# KiCad board simplyKeeb-60K.kicad_pcb (continued)
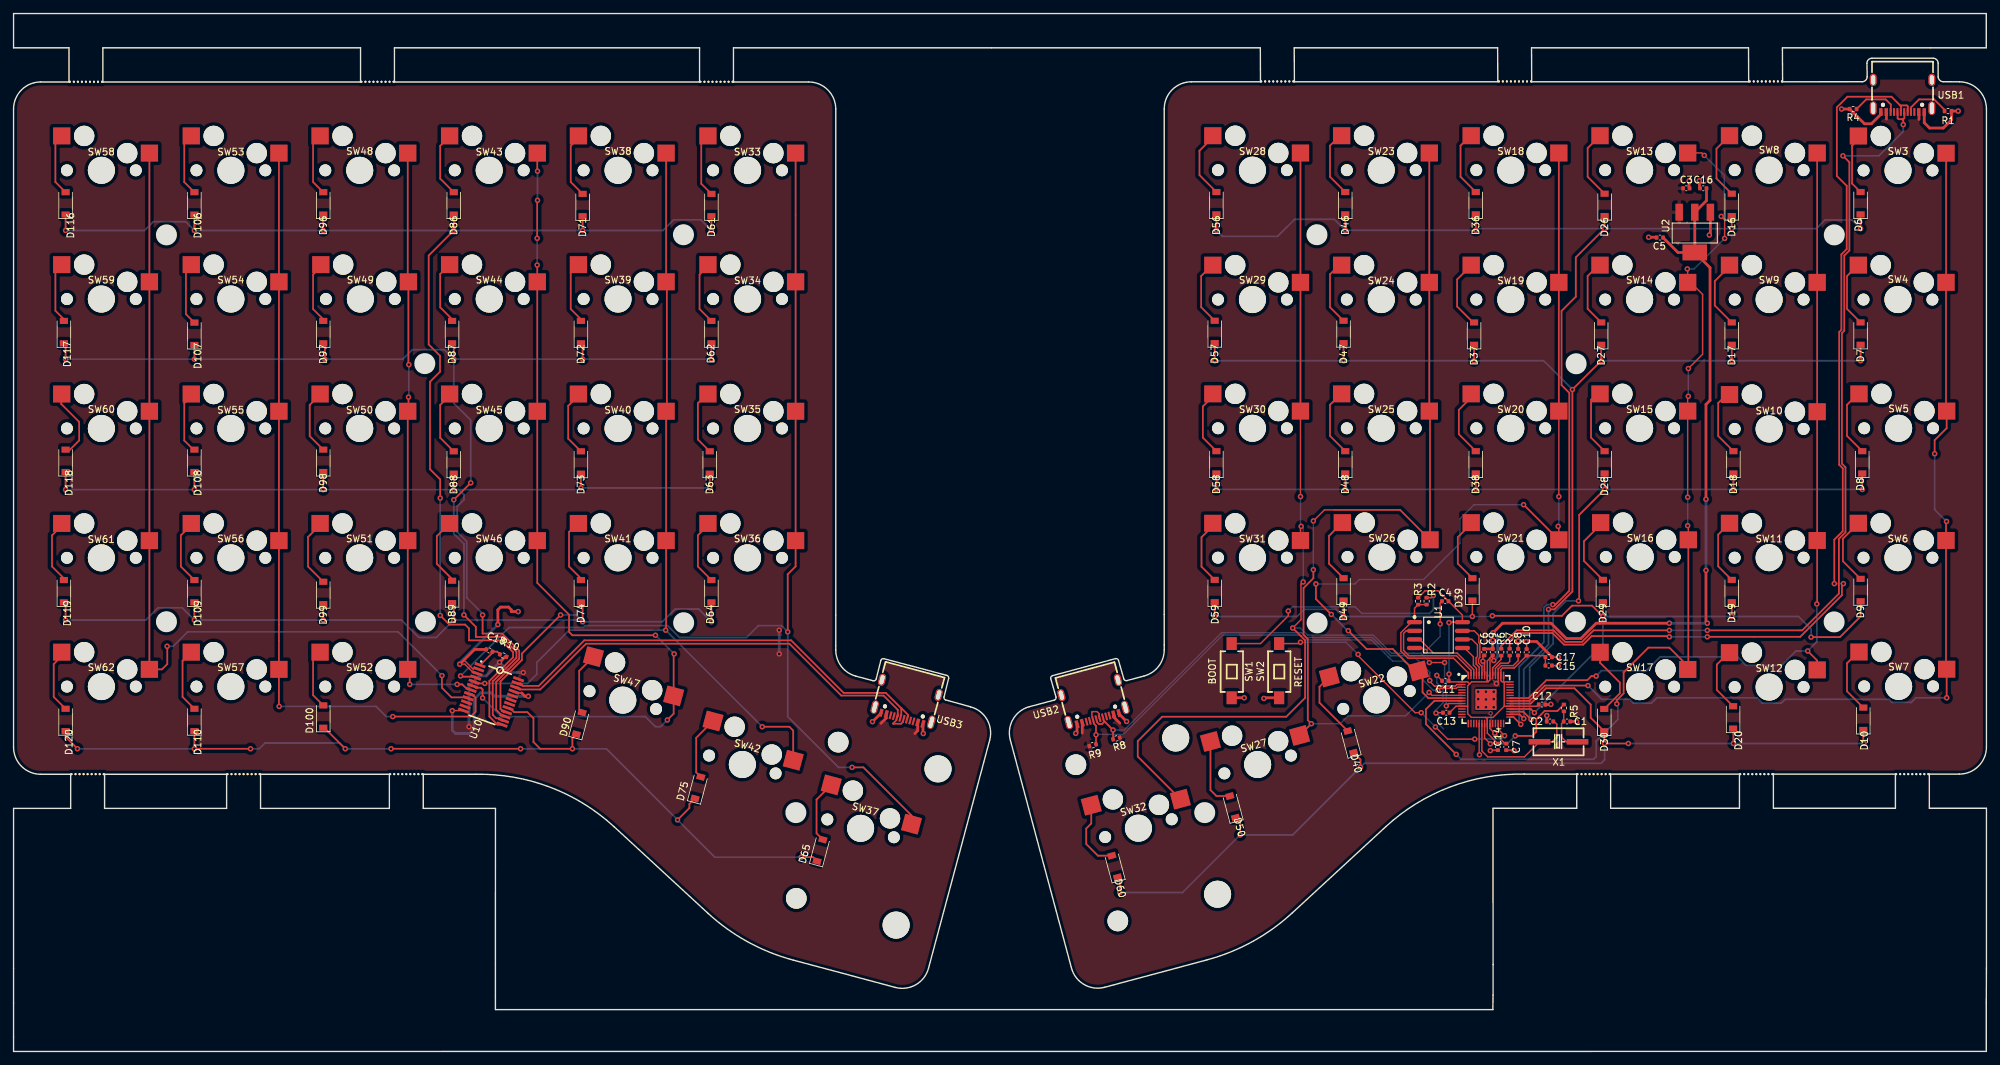
[diagram p0: board, top side]
## Nets (continued)
Net-(D40-Pad2): D40.2 SW22.2
Net-(D46-Pad2): D46.2 SW23.2
Net-(D47-Pad2): D47.2 SW24.2
Net-(D48-Pad2): D48.2 SW25.2
Net-(D49-Pad2): D49.2 SW26.2
Net-(D50-Pad2): D50.2 SW27.2
Net-(D56-Pad2): D56.2 SW28.2
Net-(D57-Pad2): D57.2 SW29.2
Net-(D58-Pad2): D58.2 SW30.2
Net-(D59-Pad2): D59.2 SW31.2
Net-(D60-Pad2): D60.2 SW32.2
Net-(D61-Pad2): D61.2 SW33.2
Net-(D62-Pad2): D62.2 SW34.2
Net-(D63-Pad2): D63.2 SW35.2
Net-(D64-Pad2): D64.2 SW36.2
Net-(D65-Pad2): D65.2 SW37.2
Net-(D71-Pad2): D71.2 SW38.2
Net-(D72-Pad2): D72.2 SW39.2
Net-(D73-Pad2): D73.2 SW40.2
Net-(D74-Pad2): D74.2 SW41.2
Net-(D75-Pad2): D75.2 SW42.2
Net-(D86-Pad2): D86.2 SW43.2
Net-(D87-Pad2): D87.2 SW44.2
Net-(D88-Pad2): D88.2 SW45.2
Net-(D89-Pad2): D89.2 SW46.2
Net-(D90-Pad2): D90.2 SW47.2
Net-(D96-Pad2): D96.2 SW48.2
Net-(D97-Pad2): D97.2 SW49.2
Net-(D98-Pad2): D98.2 SW50.2
Net-(D99-Pad2): D99.2 SW51.2
Net-(D100-Pad2): D100.2 SW52.2
Net-(D106-Pad2): D106.2 SW53.2
Net-(D107-Pad2): D107.2 SW54.2
Net-(D108-Pad2): D108.2 SW55.2
Net-(D109-Pad2): D109.2 SW56.2
Net-(D110-Pad2): D110.2 SW57.2
Net-(D116-Pad2): D116.2 SW58.2
Net-(D117-Pad2): D117.2 SW59.2
Net-(D118-Pad2): D118.2 SW60.2
Net-(D119-Pad2): D119.2 SW61.2
Net-(D120-Pad2): D120.2 SW62.2
Net-(R1-Pad2): R1.2 USB1.A5
Net-(R4-Pad1): R4.1 USB1.B5
Net-(R6-Pad2): R6.2 U3.47
Net-(R7-Pad2): R7.2 U3.46
Net-(SW2-Pad2): SW2.2 U3.26

Pads without a net: U3 24 25; U10 10 11 18 19 20; USB1 1 A8 B8; USB2 1 A5 A8 B5 B8; USB3 1 A5 A8 B5 B8

## Via types
v1: diameter 0.8, hole 0.4, Top to Bottom, 215 vias
v2: diameter 0.6, hole 0.4, Top to Bottom, 1 via

## Routing (per net, layer and track width the routed paths; a pad name or vN(x,y) marks a point on that pad's centre or on a via; arc(x,y) is an arc through that point)
+1V1: length 20.9
  Top w0.2: C6.1 216.7,58.26 v1(216.7,57.6) 216.95,57.35 U3.50 ; 218.95,54.35 U3.45 218.95,56.45 219.45,56.95 221.17,56.95 221.9,57.68 C8.1 ; 217.75,48.4 217.75,47.65 v1(218.45,46.95) 219.97,45.43 C7.1
  Bottom w0.2: 217.9,50 217.9,47.5 v1(218.45,46.95) ; v1(218.7,54.3) 216.7,56.3 v1(216.7,57.6)
  vias: v2(217.83,49.9)
+3V3: length 186
  Top w0.2: v1(211.7,55.7) 211.7,54.75 C11.1 211.8,54.55 214.45,54.55 214.75,54.25 ; 217.1,49.3 218.2,49.3 219.85,50.95 ; 217.1,49.3 217.35,49.05 217.35,46.98 C14.1 ; 217.1,49.3 215,49.3 214.45,49.85 214.45,50.95 ; C13.1 212.73,50.95 U3.10 214.45,50.95 ; v1(218.3,57.71) 218.15,57.85 C9.1 ; C15.1 C17.1 225.69,58.43 C10.1 221.32,56.6 219.6,56.6 219.35,56.35 219.35,54.75 219.55,54.55 219.75,54.55 ; C12.1 224.69,50.95 U3.33 219.85,50.95 ; 219.85,50.95 219.85,54.45 219.75,54.55 ; C9.1 217.75,58.05 217.75,54.85 217.45,54.55 215.05,54.55 214.75,54.25 ; C9.1 217.35,57.65 217.35,54.75 217.2,54.6 ; 214.75,54.25 214.45,53.95 214.45,50.95 ; 219.75,55.5 219.75,54.55 ; 219.75,54.55 220.7,54.55 ; R3.1 208.18,68 210.08,68 213.68,64.4 U1.8 211.76,63.36 v1(211.7,63.3)
  Top w0.4: v1(249.6,71) 249.6,63.4 v1(249.8,63.2) ; v1(249.6,81.5) 249.6,95.5 250.19,96.1 250.19,115.69 U2.2 ; U2.2 245.47,117.93 C5.1 ; U2.2 247.95,123.88 249.68,125.6 C16.1 ; v1(244.2,63.2) 233.4,63.2 231.15,60.95 229,60.95 226.75,63.2 219.6,63.2 v1(218.2,61.8)
  Bottom w0.2: v1(211.7,63.3) v1(211.7,55.7)
  Bottom w0.4: v1(249.8,63.2) v1(244.2,63.2) ; v1(218.3,57.71) 218.9,58.31 218.9,61.11 v1(218.2,61.8) ; v1(249.6,81.5) v1(249.6,71)
GND: length 73.1
  Top w0.2: 206.62,59.55 207.7,59.55 v1(208.2,59.05) ; 218.9,44.47 217.87,44.47 v1(217.8,44.4) ; v1(210.4,63.1) 210.4,66.18 C4.2 ; C17.2 v1(227.8,58.2) ; C13.2 209.83,50 ; U3.19 216.15,43.84 v1(216.19,43.8) ; C10.2 223.15,60.45 v1(223.1,60.5) ; C15.2 227.75,56.95 v1(227.8,56.9) ; v1(209.9,55.5) 210.69,54.71 C11.2 ; 220.15,44.47 221.23,44.47 v1(221.3,44.4) ; C8.2 v1(221.9,60.6)
  Top w0.4: 226.12,48.7 226.12,49.57 v1(226.12,49.58) ; v1(218.15,60.7) C9.2 C6.2 ; v1(223.1,60.5) 224.62,60.5 226.88,58.25 C17.2 ; SW1.1 v1(181.5,52.2) ; SW2.1 184.5,52.2 v1(184.4,52.1) ; C1.2 230.5,48.71 v1(230.52,48.68) ; USB2.A1 163.02,49.83 v1(164.15,48.7) ; v1(156.65,46.95) 156.84,47.15 USB2.A12 ; C5.2 242.26,120.18 v1(241.14,120.18) ; C12.2 226.7,51.2 v1(226.72,51.23) ; 247.1,127.51 247.1,128.5 ; 275.41,138.69 275.41,138.37 ; v1(286.8,138.8) R1.1 285.81,137.51 284.6,136.31 282.57,136.31 281.78,137.09 USB1.A1 ; 248.64,127.51 248.64,128.5 ; v1(269.6,139.1) R4.2 271.99,137.9 272,137.9 272.97,136.93 274,136.93 275.38,138.32 USB1.A12 ; v1(250.1,120.5) 250.25,120.65 250.25,123.88
  Bottom w0.2: v1(208.2,59.05) 210.4,61.25 v1(210.4,63.1) ; 210.9,47.6 210.35,48.16 210.35,49.39 v1(209.78,49.95) 209.78,50.4 210.8,51.42 210.8,53.5 209.89,54.41 209.9,54.42 v1(209.9,55.5)
  vias: v1(216,53.1) v1(216,52) v1(216,50.8) v1(217.15,53.1) v1(217.15,51.95) v1(217.15,50.8) v1(218.3,53.1) v1(218.3,52) v1(218.3,50.8) v1(247.12,128.51) v1(248.62,128.51)
VBUS: length 4.6
  Top w0.4: 281.01,137.57 281.01,138.24 ; USB2.A9 157.61,46.99 ; 276.21,138.37 276.21,137.6 ; USB2.A4 162.25,49.35 163.15,48.45
VDD: length 24.4
  Top w0.4: R10.1 72.5,58.26 v1(71.67,57.43) ; USB3.A4 133.35,47.35 132.92,46.93 ; USB3.A9 128.71,49.22 127.92,48.43
  Bottom w0.4: v1(75.17,55.93) 73.17,55.93 v1(71.67,57.43) 69.67,55.43 68.67,55.43 67.17,53.93 v1(67.17,47.93) ; v1(112.92,58.68) v1(112.92,62.18)
VSS: length 50
  Top w0.2: 74.05,52.91 74.94,52.91 ; U10.12 v1(64.7,50.31) ; 67.8,56.41 66.42,57.78 ; 67.91,55.8 66.55,57.16 v1(65.8,57.16)
  Top w0.4: 74.94,52.91 75.42,52.43 v1(75.92,52.43) ; v1(74.42,64.93) 73.4,64.93 73.4,65.2 73.01,65.59 71.83,65.59 71.42,65.18 v1(71.42,63.01) ; v1(126.67,48.68) 127.94,49.95 USB3.A12 ; USB3.A1 134.12,46.98 v1(134.17,46.93) ; C18.2 67.99,59.34 v1(65.8,57.16)
  Bottom w0.4: v1(64.7,50.31) 64.7,47.4 65.17,46.93 67.23,46.93 67.92,47.62 67.92,51.99 68.86,52.93 70.42,52.93 70.92,52.43 v1(75.92,52.43) ; v1(65.8,57.16) 65.8,57.38 v1(71.42,63.01)
/Col_L0: length 149.7
  Top w0.25: v1(283.32,88.23) 283.32,90.23 285.09,92 SW5.1 284.99,94.62 SW4.1 285,113.53 SW3.1 ; 220.7,51.75 223.58,51.75 225.83,54 v1(232.2,54) ; v1(285.1,52.2) 285.09,52.21 SW7.1 284.99,56.52 SW6.1 284.99,78.15 v1(285.07,78.23)
  Bottom w0.25: v1(283.32,88.23) 283.32,79.98 v1(285.07,78.23) ; v1(232.2,54) 234.22,51.98 238.33,51.98 238.91,51.4 241.54,51.4 242.34,52.2 257.14,52.2 257.93,51.41 260.71,51.41 261.27,51.98 276.56,51.98 277.03,51.51 279.85,51.51 280.54,52.2 v1(285.1,52.2)
/Col_L1: length 125.3
  Top w0.25: v1(233.4,55.4) 232.7,55.4 232.1,54.8 226.07,54.8 223.42,52.15 U3.36 ; v1(264.6,59.1) 265.99,57.71 SW12.1 ; SW8.1 SW9.1 SW10.1 SW11.1 265.99,66.1 v1(265.95,66.05)
  Bottom w0.25: v1(265.95,66.05) 265.95,60.45 v1(264.6,59.1) 262.85,59.1 260.73,56.99 255.51,56.99 254.24,58.26 242.85,58.26 240.81,56.21 234.2,56.21 v1(233.4,55.4)
/Col_L2: length 147.4
  Top w0.2: v1(246.85,115.5) 246.89,115.46 SW14.1 247.33,113.52 249.1,111.75 249.1,102.9 v1(247,100.8) ; v1(249.35,132.25) 248.98,132.62 SW13.1 ; v1(246.9,81.8) 246.89,81.81 SW15.1 246.89,96.6 v1(247,96.7) ; v1(251.85,123.25) 252.35,122.75 v1(252.35,120) ; SW16.1 246.99,77.51 v1(246.9,77.6)
  Top w0.25: v1(236.45,51.3) 236.45,51.84 237.45,52.84 237.45,55.96 241.1,59.6 244.2,59.6 246.9,56.9 SW17.1 246.99,56.47 SW16.1 ; v1(212.76,43.85) 208.3,48.31 208.3,50.5 209.55,51.75 213.6,51.75
  Bottom w0.2: v1(246.85,115.5) 247.85,115.5 v1(252.35,120) ; v1(251.85,123.25) 252.3,123.7 252.3,129.31 v1(249.35,132.25) ; v1(247,100.8) v1(247,96.7) ; v1(246.9,81.8) v1(246.9,77.6)
  Bottom w0.25: v1(236.45,51.3) 236.6,51.16 236.6,49 233.4,45.8 233.4,43.5 233.01,43.12 213.48,43.12 212.76,43.84 v1(212.76,43.85)
/Col_L3: length 133.4
  Top w0.2: v1(227.8,77.5) 227.89,77.41 SW21.1 ; v1(227.9,81.9) 227.89,81.91 SW20.1 ; 222.71,80.7 v1(222.7,80.7)
  Top w0.25: 222.71,80.7 SW21.1 ; SW20.1 SW19.1 SW18.1 ; v1(196.85,62.1) 199.54,59.4 203.4,59.4 206.63,56.17 SW22.1 207.8,55.57 207.8,53 208.65,52.15 U3.7 ; v1(192.07,69) 192.07,66.78 v1(194.35,64.5)
  Bottom w0.2: v1(192.07,69) 197.8,69 198.46,69.67 207.96,69.67 213.3,75 213.3,78.6 215.4,80.7 v1(222.7,80.7) ; v1(227.8,77.5) 227.9,77.6 v1(227.9,81.9)
  Bottom w0.25: v1(196.85,62.1) 196.75,62.1 v1(194.35,64.5)
/Col_L4: length 134.6
  Top w0.2: 213.6,52.55 209.2,52.55 v1(208.76,52.99) ; v1(191.7,78.3) 193.33,79.94 194.77,79.94
  Top w0.25: SW23.1 SW24.1 SW25.1 208.89,94.42 SW26.1 204.48,79.94 194.77,79.94 ; SW27.1 v1(191.4,48.38) 190.87,48.9 190.87,52.03 190.87,60.85 190.25,61.47 190.25,68.4 191.7,69.85 v1(191.7,71.1)
  Bottom w0.2: v1(191.4,48.38) 195.67,48.38 196.83,49.54 205.31,49.54 v1(208.76,52.99) ; v1(191.7,78.3) v1(191.7,71.1)
/Col_L5: length 160.7
  Top w0.2: SW30.1 189.79,81.91 v1(189.8,81.9) ; SW31.1 189.79,77.4 v1(189.9,77.5) ; v1(211.3,51) 211.65,51.35 U3.9 ; v1(190.2,69.3) 189.87,68.98 189.87,63.73 v1(188.65,62.5) ; v1(208.8,57.41) 209.7,57.41 209.7,57.4 v1(211.05,57.4)
  Top w0.25: v1(188.65,62.5) 189.84,61.31 189.85,61.31 190.47,60.68 190.47,52.18 187.7,49.4 169.4,49.4 165.8,45.8 165.8,43.53 SW32.1 ; SW30.1 SW29.1 SW28.1
  Bottom w0.2: v1(190.2,69.3) 190.2,77.2 v1(189.9,77.5) 189.8,77.6 v1(189.8,81.9) ; v1(188.65,62.5) 189.79,62.5 190.84,61.45 200.54,61.45 203.24,58.75 207.58,58.75 207.58,58.75 ; v1(211.05,57.4) 211.05,55.15 211.3,54.9 v1(211.3,51) ; 207.58,58.75 208.8,57.54 v1(208.8,57.41) ; 207.58,58.75 206.35,58.75 ; 206.57,58.75 203.25,58.75
/Col_R0: length 164.9
  Top w0.25: 68.14,55.32 65.78,55.32 65.81,55.32 v1(65.92,55.43) ; SW33.1 SW34.1 SW35.1 SW36.1 115.34,71.59 114.17,70.43 v1(114.17,61.93) ; v1(123.67,41.93) 125.34,41.93 132.42,34.84 SW37.1
  Bottom w0.25: v1(123.67,41.93) 121.67,41.93 114.17,49.43 v1(114.17,61.93) 113.25,62.85 109.85,62.85 108.1,61.1 98.2,61.1 96.45,62.85 84.3,62.85 84.03,62.58 73.07,62.58 v1(65.92,55.43)
/Col_R1: length 132.5
  Top w0.25: SW42.1 114.98,47.37 114.42,47.93 v1(110.42,47.93) ; v1(69.5,54.32) 68.17,54.32 U10.5 ; SW38.1 SW39.1 96.35,113.49 96.35,94.61 SW40.1 SW41.1 96.23,62.24 v1(96.17,62.18)
  Bottom w0.25: v1(69.5,54.32) 75.81,54.32 77.17,55.68 77.17,57.43 81.92,62.18 v1(96.17,62.18) v1(110.42,47.93)
/Col_R2: length 132
  Top w0.25: v1(94.67,61.43) 82.42,61.43 81.92,61.93 81.92,64.48 77.23,69.16 SW46.1 SW45.1 SW44.1 77.23,116.07 v1(77.22,116.08) ; v1(77.22,120.03) 77.22,125.58 v1(77.27,125.63) ; v1(77.27,129.93) 77.23,129.97 SW43.1 ; U10.6 67.89,53.96 68.17,53.68 68.92,53.68 69.17,53.43 v1(69.17,52.18) ; v1(97.42,58.68) 97.35,58.61 SW47.1 97.35,49.86 v1(96.42,48.93)
  Bottom w0.25: v1(94.67,61.43) v1(97.42,58.68) ; v1(69.17,52.18) 71.92,49.43 93.17,49.43 94.67,47.93 95.42,47.93 v1(96.42,48.93) ; v1(77.27,129.93) v1(77.27,125.63) ; v1(77.22,116.08) v1(77.22,120.03)
/Col_R3: length 87.1
  Top w0.25: v1(58.3,101.38) 58.23,101.44 SW49.1 58.14,113.7 SW48.1 ; v1(65.42,54.18) 66.17,54.18 66.67,53.68 ; v1(58.25,96.58) 58.25,94.61 SW50.1 SW51.1 SW52.1 58.42,56.11 v1(58.42,54.18)
  Bottom w0.25: v1(58.3,101.38) 58.3,96.63 v1(58.25,96.58) ; v1(65.42,54.18) v1(58.42,54.18)
/Col_R4: length 114.7
  Top w0.25: SW53.1 SW54.1 SW55.1 SW56.1 SW57.1 39.13,50.97 v1(39.17,50.93) ; v1(55.92,49.43) 67.42,49.43 68.14,50.15 68.14,52.21 67.61,52.74 U10.8
  Bottom w0.25: v1(39.17,50.93) 53.47,50.93 54.97,49.43 v1(55.92,49.43)
/Col_R5: length 132.1
  Top w0.25: SW58.1 SW59.1 SW60.1 SW61.1 SW62.1 21.89,56.4 22.67,57.18 22.67,59.78 v1(22.65,59.8) ; 67.03,52.27 64.59,52.27 63.17,53.68 v1(63.17,55.48)
  Bottom w0.25: v1(63.17,55.48) 56.72,61.93 25.67,61.93 23.55,59.8 v1(22.65,59.8)
/I2C_SCL_L: length 70.5
  Top w0.1: USB2.A6 160.17,49.77 159.78,50.16
  Top w0.2: 159.03,49.49 159.03,50.08 159.11,50.16 159.78,50.16 160.11,49.83 160.11,49.19 ; v1(210.05,53.29) 210.35,53.59 212.78,53.59 212.94,53.75 213.6,53.75
  Top w0.25: R9.2 v1(159.64,46.75) 159.64,48.06 159.3,48.4
  Bottom w0.2: v1(210.05,53.29) 209.4,53.29 205.09,57.6 203.4,57.6 203,58 203,58.01 202.75,58.26 202.74,58.26 200.25,60.75 190.4,60.75 189.7,61.46 178.31,61.46 163.65,46.8 159.69,46.8 v1(159.64,46.75)
/I2C_SCL_R: length 66.8
  Top w0.25: 130.2,48.9 129.7,48.4 129.73,48.37 130.9,48.37 131.17,48.64 131.17,48.68 ; 130.3,49.37 USB3.B6 130.4,49.46 130.4,50.43 128.3,52.53 122.07,52.53 114.42,60.18 84.42,60.18 77.67,53.43 74.7,53.43 74.4,53.73 U10.22
/I2C_SDA_L: length 66.1
  Top w0.2: U3.2 212.85,54.15 212.63,53.94 209.54,53.94 209,54.49 209,54.61 v1(208.86,54.75)
  Top w0.25: R8.2 v1(162.15,47.45) 160.9,48.7 ; 160.9,48.7 160.8,48.8 ; 160.9,48.7 160.52,48.33 160.06,48.33 159.89,48.5
  Bottom w0.2: v1(162.15,47.45) 163.81,47.45 178.17,61.8 190,61.8 190.7,61.1 200.4,61.1 203.1,58.4 206.42,58.4 208.86,55.97 v1(208.86,54.75)
/I2C_SDA_R: length 66.4
  Top w0.25: 130.92,50.64 130.96,50.64 131.92,49.68 131.92,49.43 ; 130.92,50.64 128.64,52.93 122.42,52.93 114.67,60.68 84.17,60.68 77.45,53.96 75.14,53.96 74.76,54.34 U10.23 ; 130.92,50.64 130.92,49.68
/Row_L0: length 193.4
  Top w0.25: v1(222.28,48.28) 221.21,49.35 U3.29 ; v1(253.4,121.45) D16.1 ; v1(215.65,121.2) D36.1 ; v1(227.01,65.96) 227.11,65.85 227.3,65.85 229.44,68 229.44,97.2 228.29,98.35 228.29,109.3 230.4,111.4 230.4,117.2 v1(234.65,121.45) D26.1 ; v1(196.4,121.2) D46.1 ; v1(177.4,121.2) D56.1 ; v1(272.4,121.45) D6.1
  Bottom w0.25: v1(177.4,121.2) 178.3,120.3 186.4,120.3 188.92,122.83 194.77,122.83 v1(196.4,121.2) v1(215.65,121.2) 215.9,121.45 v1(234.65,121.45) v1(253.4,121.45) 265.87,121.45 267.15,122.73 271.12,122.73 v1(272.4,121.45) ; v1(227.01,65.96) 226.12,65.96 225.7,65.53 225.7,60.4 222.05,56.76 222.05,48.52 v1(222.28,48.28)
/Row_L1: length 167.7
  Top w0.25: v1(215.4,101.95) D37.1 ; 220.7,49.75 222.09,49.75 v1(222.72,49.13) ; D27.1 v1(234.15,101.95) v1(229.9,97.7) 229.9,67.89 227.26,65.25 v1(226.37,65.25) ; D57.1 v1(177.15,101.95) ; v1(253.4,101.95) D17.1 ; v1(272.4,101.95) D7.1 ; v1(196.15,101.95) D47.1
  Bottom w0.25: v1(226.37,65.25) 226.37,60.08 222.72,56.43 v1(222.72,49.13) ; v1(229.9,97.7) 225.65,101.95 v1(215.4,101.95) v1(196.15,101.95) v1(177.15,101.95) ; v1(234.15,101.95) v1(253.4,101.95) v1(272.4,101.95)
/Row_L2: length 152.6
  Top w0.25: D58.1 v1(177.4,82.95) ; v1(223.8,49) 222.65,50.15 U3.31 ; v1(196.4,82.95) D48.1 ; D28.1 v1(234.65,82.95) 230.9,79.2 230.9,66.6 v1(230.8,66.5) ; v1(215.65,82.95) D38.1 ; v1(253.65,82.95) D18.1 ; v1(272.65,82.95) D8.1
  Bottom w0.25: v1(223.8,49) 223.6,49.2 223.6,56.74 227.05,60.19 227.05,64.6 228.95,66.5 v1(230.8,66.5) ; v1(272.65,82.95) v1(253.65,82.95) v1(234.65,82.95) v1(215.65,82.95) v1(196.4,82.95) v1(177.4,82.95)
/Row_L3: length 136.1
  Top w0.2: 215.15,66.55 v1(215.15,64.2)
  Top w0.25: v1(218.1,64.3) 228.35,64.3 229.85,65.8 232.8,65.8 v1(234.4,64.2) D29.1 ; D9.1 272.4,64.2 269.35,61.15 v1(265.1,61.15) ; 220.7,50.55 223.75,50.55 v1(224.3,50) ; v1(196.15,64.2) 196.15,66.55 ; v1(253.4,64.2) D19.1 ; D59.1 v1(177.15,64.2)
  Bottom w0.2: v1(215.15,64.2) 218,64.2 v1(218.1,64.3)
  Bottom w0.25: v1(265.1,61.15) 265.1,62.35 263.25,64.2 v1(253.4,64.2) v1(234.4,64.2) 234.4,60.1 v1(224.3,50) ; v1(215.15,64.2) v1(196.15,64.2) 195.1,65.25 190.35,65.25 189.3,64.2 v1(177.15,64.2)
/Row_L4: length 152.8
  Top w0.25: v1(253.65,45.45) 253.65,47.6 D20.1 ; D50.1 180.9,33.84 v1(180.9,31.95) ; D40.1 198.65,43.09 v1(198.65,41.95) ; v1(272.9,45.45) 272.8,45.55 D10.1 ; D60.1 163.15,25.39 v1(163.15,23.45) ; U3.34 223.75,51.35 226,53.6 230.2,53.6 232.6,51.2 232.6,49.25 234.6,47.25 234.6,45.5 v1(234.65,45.45) v1(238.15,45.45)
  Bottom w0.25: v1(163.15,23.45) 172.4,23.45 v1(180.9,31.95) 188.65,31.95 v1(198.65,41.95) 199.22,42.53 234.12,42.53 234.65,43.05 v1(234.65,45.45) ; v1(238.15,45.45) v1(253.65,45.45) v1(272.9,45.45)
/Row_R0: length 199.3
  Top w0.25: 26.67,121.93 26.67,121.43 ; 26.67,121.93 D106.1 ; 26.67,121.93 v1(26.67,121.18) ; D86.1 v1(64.92,121.18) 61.22,117.48 61.22,104.35 62.9,102.68 62.9,100.33 61.42,98.85 61.42,85.93 62.92,84.43 v1(62.92,81.68) ; v1(45.67,121.18) D96.1 ; D116.1 v1(7.67,121.18) ; v1(62.92,64.35) 64.27,63.01 66.6,63.01 67.17,62.43 67.17,60.68 71.92,60.68 73.67,58.93 73.67,58.18 70.17,54.68 70.17,49.43 71.36,48.24 U10.13 ; v1(83.92,121.18) D71.1 ; D61.1 v1(102.92,121.18)
  Bottom w0.25: v1(7.67,121.18) 19.32,121.18 20.62,122.48 25.37,122.48 v1(26.67,121.18) v1(45.67,121.18) v1(64.92,121.18) v1(83.92,121.18) 95.77,121.18 97.35,122.75 101.35,122.75 v1(102.92,121.18) ; v1(62.92,64.35) v1(62.92,81.68)
/Row_R1: length 174.3
  Top w0.25: v1(83.92,102.18) 83.92,104.53 ; v1(45.92,102.18) 45.92,104.53 ; U10.14 72.01,48.84 71.67,49.18 71.17,49.18 70.67,49.68 70.67,54.61 74.17,58.11 74.17,59 71.99,61.18 68.17,61.18 68.17,62.68 v1(66.42,64.43) ; v1(64.92,102.18) 64.92,104.53 ; 7.67,104.53 v1(7.67,102.18) ; v1(64.92,81.43) v1(67.42,83.93) ; v1(26.67,102.18) D107.1 ; v1(102.92,102.18) D62.1
  Bottom w0.25: v1(7.67,102.18) v1(26.67,102.18) v1(45.92,102.18) 57.4,102.18 58.8,103.58 63.52,103.58 v1(64.92,102.18) ; v1(64.92,102.18) v1(83.92,102.18) v1(102.92,102.18) ; v1(64.92,102.18) 64.92,95.68 67.42,93.18 v1(67.42,83.93) ; v1(66.42,64.43) 66.42,74.93 64.92,76.43 v1(64.92,81.43)
/Row_R2: length 152
  Top w0.25: v1(45.67,82.93) D98.1 ; D63.1 v1(102.67,83.18) ; v1(69.17,64.43) 69.17,61.68 72.05,61.68 74.57,59.16 74.57,57.95 71.17,54.55 71.17,50.43 72.15,49.45 U10.15 ; D118.1 v1(7.67,82.93) ; v1(64.92,82.93) D88.1 ; v1(26.67,82.93) D108.1 ; v1(83.67,83.18) D73.1
  Bottom w0.25: v1(64.92,82.93) v1(45.67,82.93) v1(26.67,82.93) v1(7.67,82.93) ; v1(64.92,82.93) 65.67,82.93 66.42,82.18 66.42,81.43 65.42,80.43 65.42,76.68 66.82,75.28 66.82,66.98 69.17,64.63 v1(69.17,64.43) ; v1(64.92,82.93) 83.42,82.93 v1(83.67,83.18) v1(102.67,83.18)
/Row_R3: length 138.6
  Top w0.25: v1(64.92,63.68) 64.92,66.18 ; v1(26.67,63.68) D109.1 ; 7.67,66.28 v1(7.67,63.68) ; U10.16 72.29,50.07 71.81,50.55 71.81,54.62 74.97,57.78 74.97,58.73 v1(80.67,64.43) ; D64.1 v1(102.92,63.43) ; v1(83.92,63.43) 83.92,66.28 ; v1(45.67,63.68) D99.1
  Bottom w0.25: v1(83.92,63.43) 83.67,63.68 v1(64.92,63.68) 62.35,61.1 59.77,61.1 57.2,63.68 v1(45.67,63.68) v1(26.67,63.68) 24.87,65.48 21.3,65.48 19.5,63.68 v1(7.67,63.68) ; v1(83.92,63.43) 95.7,63.43 97.57,65.3 101.05,65.3 v1(102.92,63.43) ; v1(83.92,63.43) 82.92,64.43 v1(80.67,64.43)
/Row_R4: length 147.8
  Top w0.25: v1(48.92,44.68) 45.82,47.78 D100.1 ; D65.1 117.9,28.68 v1(116.17,28.68) ; v1(55.67,44.68) v1(74.77,44.68) ; D120.1 7.67,46.43 v1(9.42,44.68) ; v1(97.92,34.18) 99.67,35.93 99.67,36.51 D75.1 ; D110.1 v1(26.67,44.68) v1(34.95,44.68) ; D90.1 82.42,46.26 v1(82.42,44.68) 77.67,44.68 76.67,45.68 76.67,49.18 75.77,50.08 73.82,50.08 73.23,50.68 U10.17
  Bottom w0.25: v1(116.17,28.68) 103.42,28.68 v1(97.92,34.18) 87.42,44.68 v1(82.42,44.68) v1(74.77,44.68) ; v1(9.42,44.68) v1(26.67,44.68) ; v1(34.95,44.68) 36.22,44.68 37.07,45.53 48.07,45.53 v1(48.92,44.68) v1(55.67,44.68)
/RP2040 for Keebs/QSPI_SCLK: length 7.3
  Top w0.2: U1.6 215.08,60.82 215.9,60 215.9,58.3 215.7,58.11 215.7,57.18 216.15,56.73 U3.52
/RP2040 for Keebs/QSPI_SD0: length 5.1
  Top w0.2: 213.68,59.55 214,59.55 215.3,58.25 215.3,57 215.75,56.55 215.75,55.5
/RP2040 for Keebs/QSPI_SD1: length 16.2
  Top w0.2: U1.2 205.38,62.08 205,61.7 205,59.2 205.8,58.4 212.8,58.4 214.95,56.25 U3.55
/RP2040 for Keebs/QSPI_SD2: length 11.4
  Top w0.2: 215.35,55.5 215.35,56.35 212.9,58.8 209.4,58.8 207.38,60.82 U1.3
/RP2040 for Keebs/QSPI_SD3: length 9
  Top w0.2: U3.51 216.55,56.83 216.05,57.33 216.05,57.96 216.25,58.16 216.25,60.21 216.1,60.36 216.1,61.4 215.42,62.08 U1.7
/RP2040 for Keebs/QSPI_SS: length 21.1
  Top w0.2: R2.1 R3.2 206.62,65.42 U1.1 206.16,63.36 204.6,61.8 204.6,59.1 205.65,58.06 212.35,58.06 214.55,55.85 U3.56
/RP2040 for Keebs/USB_D+: length 136.2
  Top w0.25: 278.5,137.6 278,137.6 277.86,137.74 277.86,138.69 ; 278.5,137.6 278.7,137.6 278.86,137.77 278.86,138.69 ; 278.5,137.6 278.7,137.41 v1(278.7,136.81) ; R6.1 219.4,59.87 221.68,62.15 227.13,62.15 228.83,60.45 231.32,60.45 233.02,62.15 v1(244.2,62.15) ; v1(269.8,132.2) 270.75,131.25 270.75,118.23 270,117.48 270,106.38 269.65,106.03 269.65,86.75 270.17,86.23 270.17,76.63 269.2,75.66 269.2,67.57 263.78,62.15 v1(249.8,62.15)
  Bottom w0.25: v1(278.7,136.81) 278.7,135.79 275.11,132.2 v1(269.8,132.2) ; v1(244.2,62.15) v1(249.8,62.15)
/RP2040 for Keebs/USB_D-: length 143.2
  Top w0.25: v1(268.52,69.05) 268.52,75.55 269.77,76.8 269.77,86.07 269.25,86.59 269.25,106.2 269.56,106.51 269.56,117.65 270.35,118.43 270.35,127.77 268.9,129.22 268.9,139.36 270.47,140.93 276.95,140.93 278.23,139.64 ; R7.1 220.65,60.55 221.85,61.75 226.96,61.75 228.66,60.06 231.48,60.06 232.73,61.3 244.1,61.3 v1(244.2,61.2) ; 279.36,138.69 279.36,139.51 279.23,139.64 278.23,139.64 ; 278.23,139.64 278.36,139.51 278.36,138.69 ; v1(269.87,69.05) 269.65,68.83 269.65,67.35 263.5,61.2 v1(249.8,61.2)
  Bottom w0.25: v1(269.87,69.05) v1(268.52,69.05) ; v1(244.2,61.2) v1(249.8,61.2)
/RP2040 for Keebs/XIN: length 19.3
  Top w0.2: U3.20 216.55,44.35 217.42,43.48 222.82,43.48 X1.2 226.9,45.7 227.6,46.4 227.6,48.3 227.2,48.7 C2.1
/RP2040 for Keebs/XOUT: length 17.7
  Top w0.2: v1(217.8,45.4) 216.95,46.25 U3.21
  Top w0.25: R5.1 227.69,50.25 225.8,50.25 224.57,49.03 224.57,47.18 223.97,46.58 v1(221.47,46.58)
  Bottom w0.25: v1(217.8,45.4) 220.3,45.4 v1(221.47,46.58)
/RP2040 for Keebs/~{USB_BOOT}: length 36.3
  Top w0.2: SW1.2 183.9,60.2 188,64.3 v1(188,65) ; R2.2 209.07,66.97 v1(209.4,67.3)
  Bottom w0.2: 198.85,64.65 197.87,65.63 188.62,65.63 v1(188,65)
  Bottom w0.25: 198.85,64.65 208.85,64.65 209.4,65.2 v1(209.4,67.3)
Net-(C1-Pad1): length 6.6
  Top w0.2: X1.1 229,45.7 228.3,46.4 228.3,48.39 C1.1 228.62,50.16 228.65,50.19
Net-(C18-Pad1): length 4
  Top w0.25: R10.2 71.33,59.02 C18.1 70.62,58.84 U10.1
Net-(D6-Pad2): length 9.2
  Top w0.25: SW3.2 272.08,134.64 271.15,133.7 271.15,128.1 D6.2
Net-(D7-Pad2): length 10
  Top w0.25: D7.2 270.4,109.6 270.4,114.45 272,116.06 SW4.2
Net-(D8-Pad2): length 10.2
  Top w0.25: D8.2 270.4,90.85 270.4,95.45 272,97.06 SW5.2
Net-(D9-Pad2): length 10.2
  Top w0.25: SW6.2 269.8,75.69 269.8,72.35 D9.2
Net-(D10-Pad2): length 10
  Top w0.25: SW7.2 272.05,58.96 270.4,57.3 270.4,53.15 D10.2
Net-(D16-Pad2): length 10.3
  Top w0.25: SW8.2 251.15,133.24 251.15,128.85 D16.2
Net-(D17-Pad2): length 10.4
  Top w0.25: SW9.2 253.07,115.88 250.9,113.7 250.9,110.1 D17.2
Net-(D18-Pad2): length 10.2
  Top w0.25: SW10.2 252.65,96.96 251.4,95.7 251.4,90.85 D18.2
Net-(D19-Pad2): length 9.9
  Top w0.25: D19.2 251.4,71.6 251.4,76.29 SW11.2
Net-(D20-Pad2): length 9.7
  Top w0.25: SW12.2 252.95,58.86 251.2,57.1 251.2,53.35 D20.2
Net-(D26-Pad2): length 10.3
  Top w0.25: D26.2 232.15,129.1 232.15,133.34 SW13.2
Net-(D27-Pad2): length 10.2
  Top w0.25: SW14.2 233.75,116.06 232.15,114.45 232.15,109.6 D27.2
Net-(D28-Pad2): length 10.1
  Top w0.25: SW15.2 233.5,97.06 232.65,96.2 232.65,90.6 D28.2
Net-(D29-Pad2): length 10.6
  Top w0.25: SW16.2 234.07,77.78 231.6,75.3 231.6,72.4 D29.2
Net-(D30-Pad2): length 10.5
  Top w0.25: D30.2 236.9,52.85 236.9,54.45 233.98,57.37 SW17.2
Net-(D36-Pad2): length 10.1
  Top w0.25: SW18.2 214.6,135.16 214.48,135.04 214.48,134.79 213.4,133.7 213.4,129.1 D36.2
Net-(D37-Pad2): length 10.4
  Top w0.25: SW19.2 214.97,116.03 212.9,113.95 212.9,109.95 215.25,107.6 D37.2
Net-(D38-Pad2): length 10.2
  Top w0.25: D38.2 213.15,91.1 213.15,94.7 214.97,96.53 SW20.2
Net-(D39-Pad2): length 9.9
  Top w0.25: D39.2 213,72 213,75.9 214.97,77.88 SW21.2
Net-(D40-Pad2): length 10.3
  Top w0.25: D40.2 192.6,51.47 192.6,53.82 SW22.2
Net-(D46-Pad2): length 10.1
  Top w0.25: D46.2 194.15,129.1 194.15,133.7 195.6,135.16 SW23.2
Net-(D47-Pad2): length 10
  Top w0.25: SW24.2 195.5,116.06 194.15,114.7 194.15,109.85 D47.2
Net-(D48-Pad2): length 10.2
  Top w0.25: D48.2 194.15,90.85 194.15,95.45 195.75,97.06 SW25.2
Net-(D49-Pad2): length 9.9
  Top w0.25: SW26.2 195.95,78.06 194,76.1 194,72 D49.2
Net-(D50-Pad2): length 10.4
  Top w0.25: D50.2 177.4,37.7 176.52,38.58 SW27.2
Net-(D56-Pad2): length 10.2
  Top w0.25: D56.2 174.9,129.35 174.9,132.95 176.87,134.93 SW28.2
Net-(D57-Pad2): length 9.8
  Top w0.25: SW29.2 176.75,116.06 175.15,114.45 175.15,109.85 D57.2
Net-(D58-Pad2): length 9.9
  Top w0.25: SW30.2 176.87,96.68 175.4,95.2 175.4,90.6 D58.2
Net-(D59-Pad2): length 9.9
  Top w0.25: SW31.2 176.87,77.58 175.2,75.9 175.2,71.55 D59.2
Net-(D60-Pad2): length 10.5
  Top w0.25: SW32.2 158.94,33.65 158.2,32.91 158.2,30.62 159.92,28.9 D60.2
Net-(D61-Pad2): length 9.6
  Top w0.25: SW33.2 102.38,135.14 101.42,134.18 101.42,128.08 D61.2
Net-(D62-Pad2): length 9.5
  Top w0.25: D62.2 101.17,109.58 101.17,114.68 102.41,115.92 SW34.2
Net-(D63-Pad2): length 9.9
  Top w0.25: SW35.2 102.28,97.04 100.92,95.68 100.92,90.33 D63.2
Net-(D64-Pad2): length 9.8
  Top w0.25: SW36.2 102.41,77.67 100.92,76.18 100.92,71.58 D64.2
Net-(D65-Pad2): length 9.4
  Top w0.25: SW37.2 118.42,37.18 118.42,32.2 D65.2
Net-(D71-Pad2): length 9.8
  Top w0.25: D71.2 82.17,128.33 82.17,133.68 83.31,134.82 SW38.2
Net-(D72-Pad2): length 9.5
  Top w0.25: 83.92,107.83 82.17,109.58 82.17,114.93 83.31,116.07 SW39.2
Net-(D73-Pad2): length 9.9
  Top w0.25: SW40.2 83.31,96.82 81.8,95.3 81.8,90.45 D73.2
Net-(D74-Pad2): length 9.8
  Top w0.25: 83.92,69.58 81.92,71.58 81.92,76.68 83.18,77.94 SW41.2
Net-(D75-Pad2): length 9.6
  Top w0.25: SW42.2 100.67,46.29 100.67,41.2 D75.2
Net-(D86-Pad2): length 9.7
  Top w0.25: SW43.2 64.31,135.07 62.92,133.68 62.92,128.83 D86.2
Net-(D87-Pad2): length 9.7
  Top w0.25: SW44.2 62.92,114.75 62.92,109.83 64.92,107.83
Net-(D88-Pad2): length 9.9
  Top w0.25: SW45.2 64.31,96.82 62.92,95.43 62.92,90.58 D88.2
Net-(D89-Pad2): length 10.3
  Top w0.25: 64.92,69.48 62.42,71.98 62.42,76.05 SW46.2
Net-(D90-Pad2): length 9.3
  Top w0.25: SW47.2 83.42,56.18 83.42,50.45 D90.2
Net-(D96-Pad2): length 9.4
  Top w0.25: SW48.2 45.13,135.14 44.17,134.18 44.17,128.33 D96.2
Net-(D97-Pad2): length 9.5
  Top w0.25: SW49.2 45.31,115.82 44.17,114.68 44.17,109.58 45.92,107.83
Net-(D98-Pad2): length 9.7
  Top w0.25: SW50.2 45.21,96.97 43.67,95.43 43.67,90.83 D98.2
Net-(D99-Pad2): length 10.3
  Top w0.25: SW51.2 45.21,77.72 43.42,75.93 43.42,71.58 D99.2
Net-(D100-Pad2): length 8.9
  Top w0.25: SW52.2 44.72,58.45 44.69,58.45 44.17,57.93 44.17,52.58 D100.2
Net-(D106-Pad2): length 9.4
  Top w0.25: D106.2 25.17,128.33 25.17,134.1 SW53.2
Net-(D107-Pad2): length 9.4
  Top w0.25: SW54.2 26.21,115.72 25.42,114.93 25.42,108.83 D107.2
Net-(D108-Pad2): length 9.3
  Top w0.25: SW55.2 26.21,96.72 25.17,95.68 25.17,90.18 26.52,88.83 D108.2
Net-(D109-Pad2): length 9.8
  Top w0.25: SW56.2 26.21,77.72 24.67,76.18 24.67,71.58 D109.2
Net-(D110-Pad2): length 9.6
  Top w0.25: SW57.2 26.18,58.94 24.92,57.68 24.92,52.33 D110.2
Net-(D116-Pad2): length 9.3
  Top w0.25: SW58.2 6.17,134.2 6.17,128.33 D116.2
Net-(D117-Pad2): length 9.3
  Top w0.25: 7.67,107.83 6.17,109.33 6.17,114.93 7.11,115.87 SW59.2
Net-(D118-Pad2): length 10.6
  Top w0.25: D118.2 8.32,88.83 9.67,90.18 9.67,92.93 7.03,95.57 7.03,97.04 SW60.2
Net-(D119-Pad2): length 9.8
  Top w0.25: SW61.2 7.11,77.62 5.67,76.18 5.67,71.58 7.67,69.58
Net-(D120-Pad2): length 9.6
  Top w0.25: D120.2 5.92,52.33 5.92,57.18 7.11,58.37 SW62.2
Net-(R1-Pad2): length 6.9
  Top w0.25: R1.2 284.79,138.99 283.25,140.53 281.02,140.53 279.86,139.37 279.86,138.69
Net-(R4-Pad1): length 7
  Top w0.25: R4.1 273.23,140.53 276.11,140.53 276.86,139.78 276.86,138.69
Net-(R6-Pad2): length 3.4
  Top w0.2: U3.47 218.15,56.64 219.4,57.89 R6.2
Net-(R7-Pad2): length 4.4
  Top w0.2: U3.46 218.55,56.54 219.31,57.3 220.4,57.3 220.65,57.55 R7.2
Net-(SW2-Pad2): length 41.8
  Top w0.2: v1(215.5,46.1) 211.5,46.1 v1(209.7,47.9) ; U3.26 218.95,47.55 v1(219.9,46.6) ; v1(207.6,50) 206.7,50 198.3,58.4 v1(198.3,58.6) ; v1(189.8,60.4) 189.6,60.2 SW2.2
  Bottom w0.2: v1(207.6,50) v1(209.7,47.9) ; v1(215.5,46.1) 219.4,46.1 v1(219.9,46.6) ; v1(189.8,60.4) 196.5,60.4 v1(198.3,58.6)

## Copper pours and planes (outline as drawn; the poured copper is in the pictures)
+1V1 on Top: 219.2,53.8 215.6,53.8 215.6,50.4 218.2,50.4 218.2,49.7 217.4,49.7 217.4,49.8 215,49.8 215,54.2 217.8,54.2 217.8,54.4 218.2,54.4 218.2,54.8 219.2,54.8
GND on Bottom: 292.65,9.2 146.65,9.2 146.65,143.45 292.65,143.45
VBUS on Top: 292.4,9.2 146.65,9.2 146.65,143.45 292.4,143.45
VDD on Top: 144.07,8.88 -0.53,8.88 -0.73,143.18 143.27,143.48
VSS on Bottom: 143.87,8.88 -0.33,8.88 -0.73,143.18 143.07,143.48

## Text on the board
B.Silkscreen: simplyKeeb-S60
F.Silkscreen: BOOT | RESET
